# Altium PCB GiroScope.PcbDoc (part 4 of 5)
Units mm, origin at the board's own origin, x right, y up, seen from the top; angles counter-clockwise.
Board outline 183.9 x 124.16 mm, 2 copper layers (Top Layer, Bottom Layer); 299 components, 122 nets, 3052 pads, 100 vias.
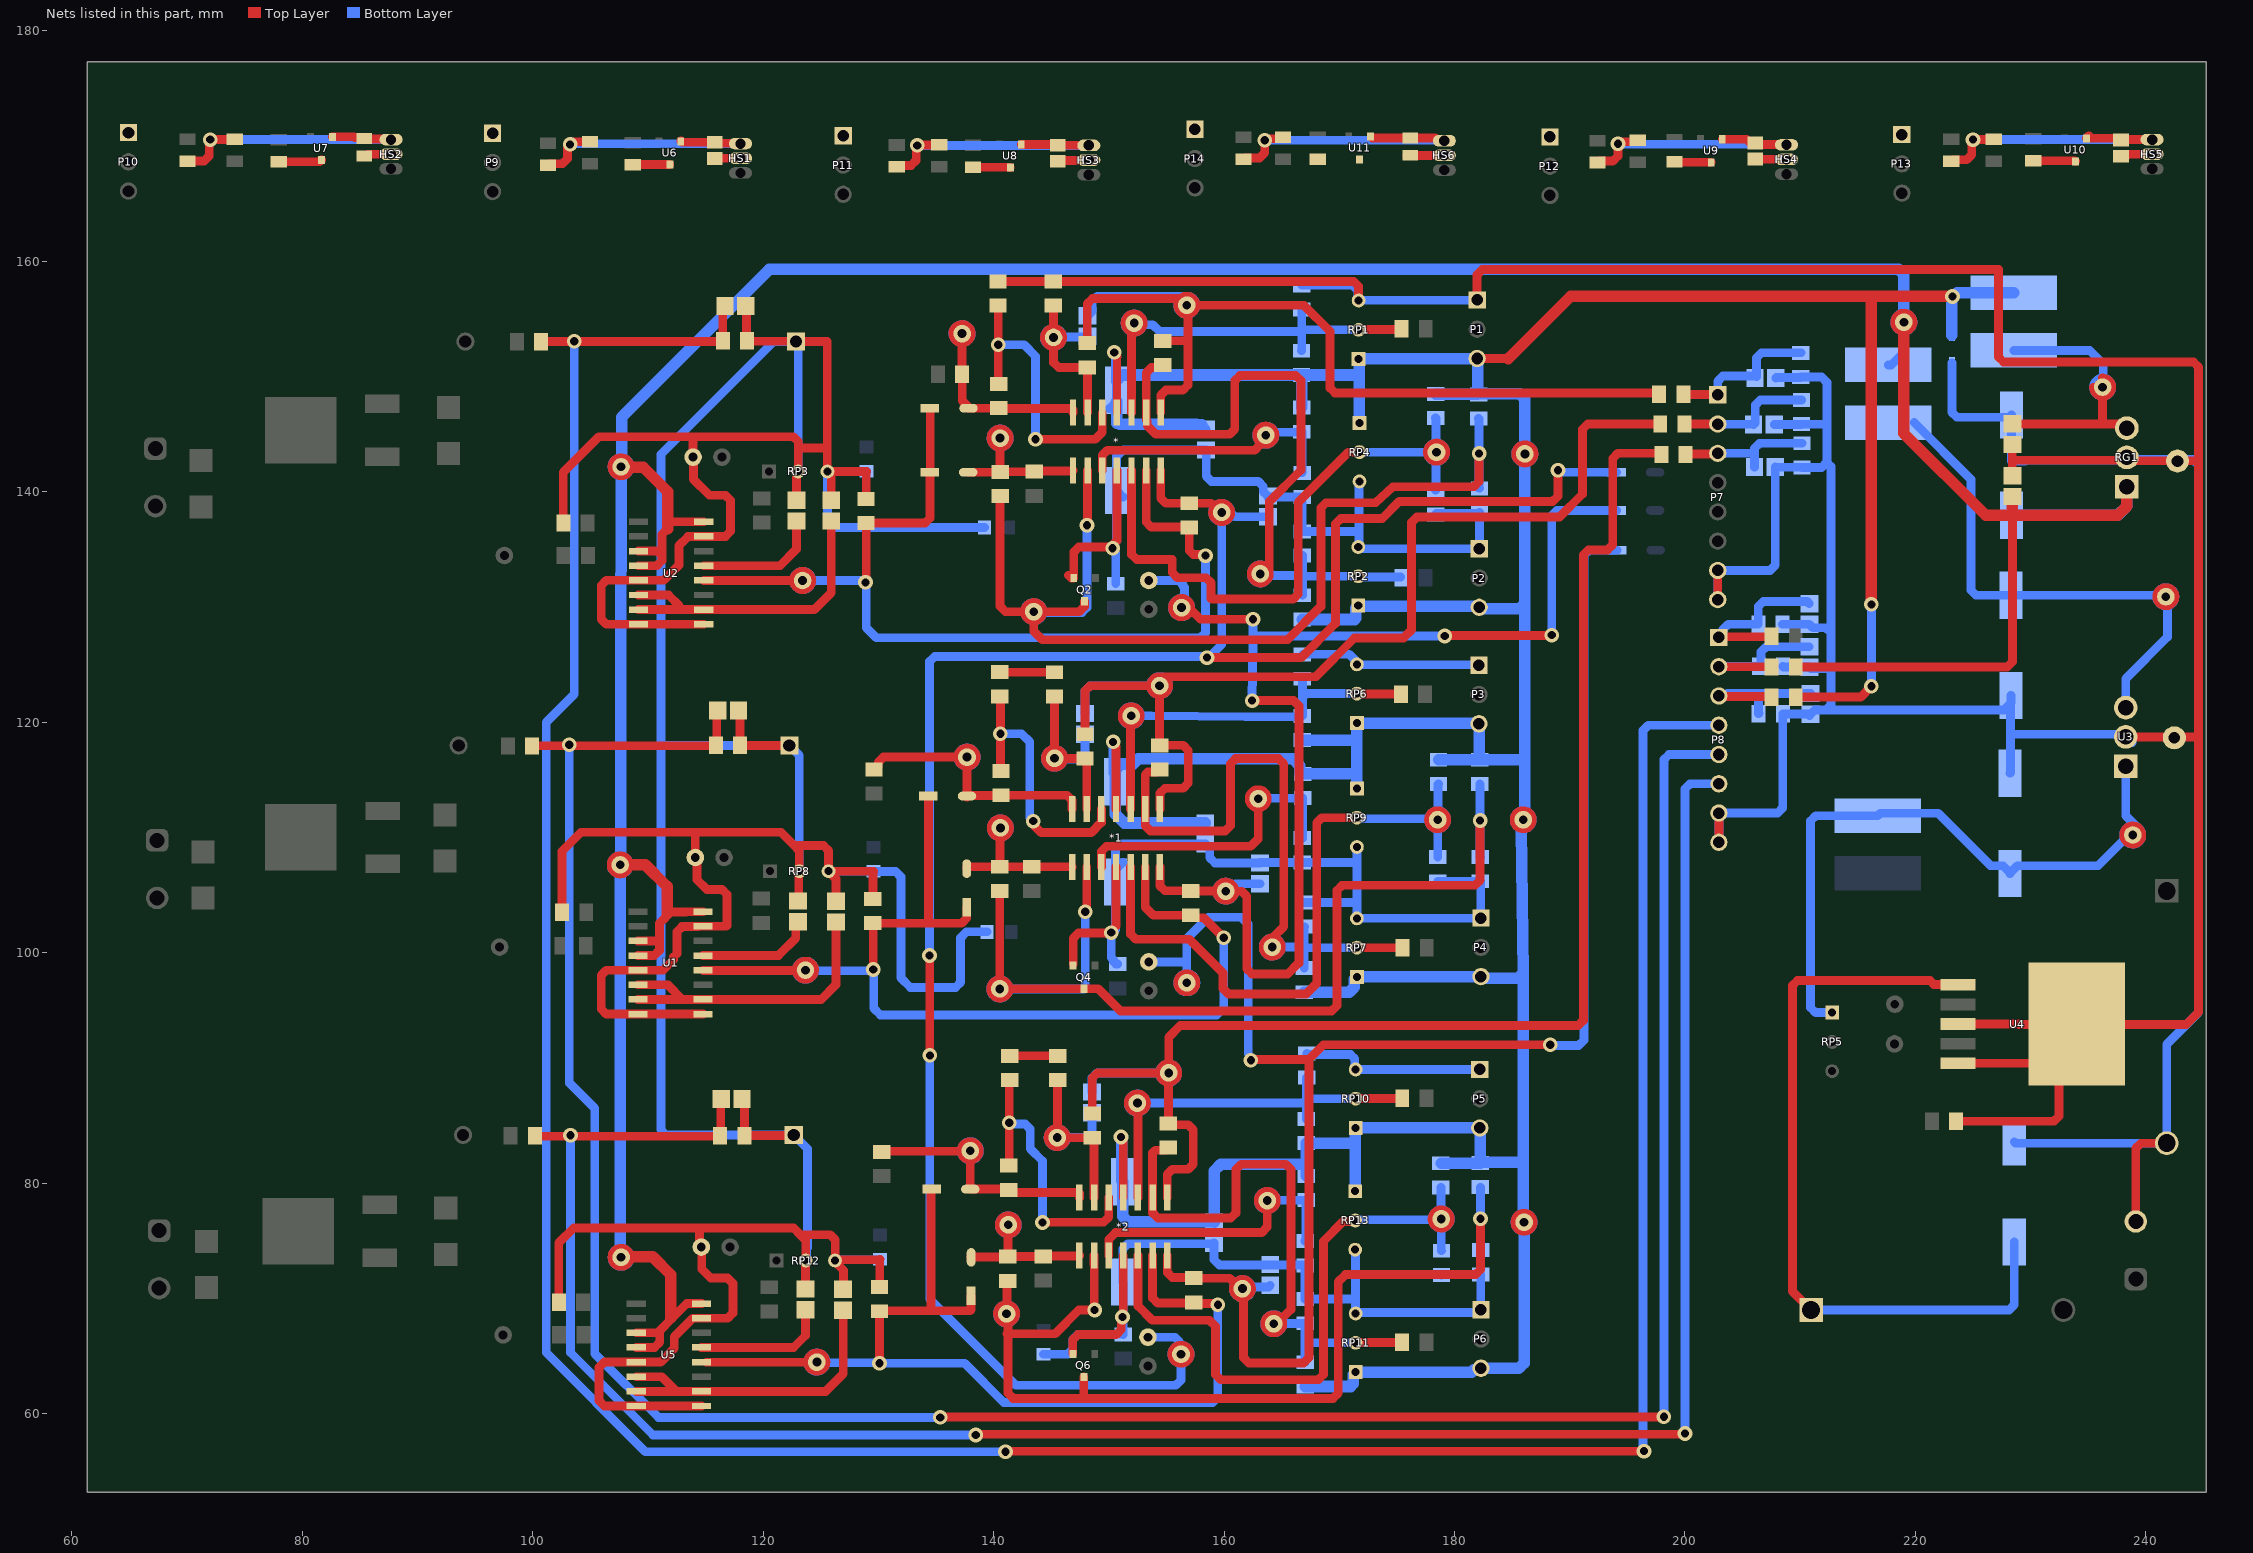
[diagram p4: the nets of this part, all layers, seen from the top]

## Via types
v1: diameter 1.27, hole 0.711, Top Layer to Bottom Layer, 61 vias
v2: diameter 1.524/1.524 (per signal layer), hole 0.711, Top Layer to Bottom Layer, 39 vias

## Nets (pads, with @x,y where several pads share a name; then routed paths per layer and width w, separated by ;. In a path a pad name is that pad's centre, name@x,y a point inside that pad or via, vN(x,y) a via of type N, cw(c..) or ccw(c..) an arc to the next point about the centre after c; other vN are vias at no path point)
+5: *1.4 *2.4 *.4 C8.1 C10.2 C16.1 C18.2 C22.1 C24.2 L1.2 P1.3 P2.3 P3.3 P4.3 P5.3 P6.3 R2.2 R14.1 R16.2 R19.1 R24.2 R29.2 R41.1 R43.2 R46.1 R51.2 R56.2 R67.1 R69.2 R72.1 R77.2 R89.2 RP1.1 RP2.1 RP4.1 RP6.1 RP7.1 RP9.1 RP10.1 RP11.1 RP13.1 TP7.1 TP20.1 TP35.1 Z1.1 | length 447.3
  Top Layer w0.7: v1@150.656,151.909 150.579,151.832 150.698,151.712 *.4@150.698,146.862
  Top Layer w0.762: v1(150.368,118.288) 150.368,118.15 150.622,117.896 *1.4@150.622,112.47 ; v1(150.47,152.095) 150.47,151.958 v1@150.698,151.729 ; v1(151.054,83.998) 151.257,83.795 *2.4@151.257,78.74 ; P1.3@181.961,151.562 184.683,151.562 ; R89.2@209.61,122.174 215.24,122.174 v1(216.179,123.114) ; 216.129,156.947 216.179,156.896
  Top Layer w1: 184.683,151.562 190.068,156.947 216.129,156.947 v1(223.215,156.947) ; v1(216.179,130.226) 216.179,156.896
  Bottom Layer w0.762: C16.1@150.054,147.229 150.673,147.848 C16.1@150.673,148.8 150.673,149.511 C16.1@151.292,150.13 ; v1(150.368,118.288) v1@150.465,118.191 ; v1(150.47,152.095) 150.567,151.998 150.567,149.566 C16.1@150.622,149.511 ; v1(151.054,83.998) v1@151.13,83.922 ; C8.1@151.13,80.201 C8.1@151.206,80.125 ; 157.602,145.873 C10.2@157.677,145.798 ; C10.2@158.074,145.798 C10.2@158.445,145.427 ; C24.2@159.067,76.657 C24.2@159.131,76.593 ; R2.2@166.726,150.13 R2.2@166.738,150.117 ; R14.1@166.738,147.317 R14.1@166.751,147.304 ; 170.978,62.348 171.206,62.575 ; RP11.1@171.206,63.383 RP11.1@171.425,63.602 ; RP7.1@171.307,97.673 RP7.1@171.526,97.892 RP7.1@171.539,97.904 ; 171.316,118.447 171.526,118.237 ; 171.334,128.912 171.429,129.007 ; RP13.1@171.379,79.299 RP13.1@171.402,79.322 ; RP10.1@171.402,84.762 RP10.1@171.425,84.785 ; RP2.1@171.429,129.905 RP2.1@171.648,130.124 RP2.1@171.724,130.048 ; 171.45,115.519 171.526,115.595 ; RP6.1@171.526,119.939 RP6.1@171.564,119.901 ; RP1.1@171.704,151.536 RP1.1@171.679,151.511 RP1.1@171.717,151.473 ; RP4.1@171.717,146.012 RP4.1@171.755,145.974 ; R24.2@178.359,148.488 R24.2@178.379,148.468 ; R77.2@178.816,81.721 R77.2@178.829,81.734 ; 181.48,63.602 P6.3@181.669,63.791 ; P1.3@181.935,151.536 P1.3@181.961,151.562 P1.3@182.027,151.496 ; R19.1@181.981,148.468 R19.1@182.027,148.513 ; P2.3@182.067,130.048 P2.3@182.143,129.972 P2.3@182.27,129.845 ; P3.3@182.08,119.901 P3.3@182.118,119.863 P3.3@182.156,119.825 ; P6.3@182.155,63.791 P6.3@182.296,63.932 ; R46.1@182.156,116.776 R46.1@182.194,116.738 ; P5.3@182.194,84.785 P5.3@182.22,84.76 ; R72.1@182.22,81.772 R72.1@182.245,81.747 ; R72.1@182.232,81.734 R72.1@182.245,81.747 ; P4.3@182.283,97.904 P4.3@182.296,97.917 P4.3@182.437,97.776 ; R72.1@182.312,81.813 R72.1@182.245,81.747 ; 186.106,144.066 v2(186.106,143.281) 186.891,143.281 ; v1(216.179,123.114) v1(216.179,130.226) ; v1@223.164,156.816 v1@223.611,157.262 ; L1.2@228.479,157.332 L1.2@228.549,157.262
  Bottom Layer w1: C22.1@150.465,115.625 v1@150.465,118.191 ; 150.673,145.948 C16.1@150.673,147.848 ; 150.928,145.873 157.602,145.873 ; C8.1@151.13,80.201 v1@151.13,83.922 ; C8.1@151.206,80.125 151.206,77.104 151.653,76.657 C24.2@159.067,76.657 ; C16.1@151.292,150.13 R2.2@166.726,150.13 171.717,150.13 ; C10.2@157.677,145.798 C10.2@158.074,145.798 ; C18.2@158.369,111.25 151.335,111.25 150.571,112.014 C22.1@150.571,114.821 150.571,115.871 151.071,116.371 152.121,116.371 152.565,116.815 165.987,116.815 166.573,116.229 166.573,115.622 166.676,115.519 171.45,115.519 ; C24.2@159.131,76.593 159.131,81.05 159.717,81.636 166.878,81.636 ; R14.1@166.738,147.317 R2.2@166.738,150.117 ; R29.2@166.802,118.447 171.316,118.447 ; R16.2@166.802,128.912 171.334,128.912 ; R43.2@166.954,96.561 170.861,96.561 171.307,97.008 RP7.1@171.307,97.673 ; R69.2@167.03,62.348 170.978,62.348 ; R67.1@167.132,80.629 167.132,81.636 R56.2@167.132,83.464 171.402,83.464 ; 171.206,62.575 RP11.1@171.206,63.383 ; RP13.1@171.402,79.322 171.402,83.464 ; RP10.1@171.402,84.762 171.402,83.464 ; RP11.1@171.425,63.602 181.48,63.602 ; RP10.1@171.425,84.785 P5.3@182.194,84.785 ; 171.429,129.007 RP2.1@171.429,129.905 ; RP9.1@171.526,114.249 171.526,115.595 171.526,118.237 RP6.1@171.526,119.939 ; RP7.1@171.539,97.904 P4.3@182.283,97.904 ; RP6.1@171.564,119.901 P3.3@182.08,119.901 ; RP1.1@171.704,151.536 P1.3@181.935,151.536 ; RP4.1@171.717,146.012 RP1.1@171.717,151.473 ; RP2.1@171.724,130.048 P2.3@182.067,130.048 ; R24.2@178.379,148.468 R19.1@181.981,148.468 ; R51.2@178.613,116.738 R46.1@182.194,116.738 186.106,116.738 ; R77.2@178.829,81.734 R72.1@182.232,81.734 ; P6.3@181.669,63.791 P6.3@182.155,63.791 ; P1.3@182.027,151.496 182.027,148.513 185.659,148.513 186.106,148.067 186.106,144.066 ; R46.1@182.156,116.776 P3.3@182.156,119.825 ; R72.1@182.22,81.772 P5.3@182.22,84.76 ; P2.3@182.27,129.845 185.659,129.845 186.106,130.291 ; P6.3@182.296,63.932 185.589,63.932 186.035,64.378 186.035,75.816 ; R72.1@182.312,81.813 185.965,81.813 ; P4.3@182.437,97.776 185.518,97.776 185.965,98.222 ; 185.798,110.744 185.965,98.222 ; 185.965,77.383 185.965,81.813 ; 186.106,112.458 186.106,116.738 ; 186.106,142.496 186.106,130.291 ; Z1.1@223.164,153.6 v1@223.164,156.816 ; v1@223.611,157.262 L1.2@228.549,157.262 ; 185.965,81.813 185.965,98.222 ; 186.106,116.738 186.106,130.291
  other v2: 186.035,76.601 185.965,111.531
+12: C3.1 C6.1 L2.2 R90.2 RG1.1 TP2.1 TP26.1 TP34.1 TP41.1 U1.8 U1.11 U1.12 U2.8 U2.11 U2.12 U5.8 U5.11 U5.12 | length 327.4
  Top Layer w0.762: 107.115,142.719 107.765,142.566 108.416,142.412 ; TP26.1@107.594,107.62 108.38,107.62 ; TP2.1@107.671,142.164 107.696,142.138 108.456,142.138 ; U5.12@108.991,65.735 110.574,65.735 111.023,66.185 111.023,67.191 ; U5.11@108.991,67.005 110.838,67.005 111.023,67.191 ; U1.12@109.137,99.746 110.552,99.746 110.998,100.192 110.998,101.239 ; U1.11@109.137,101.016 110.775,101.016 110.998,101.239 ; U2.12@109.188,133.579 110.78,133.579 111.227,134.025 111.227,134.417 ; U2.11@109.188,134.849 110.795,134.849 111.227,134.417 ; 111.535,103.07 110.998,102.532 110.998,101.239 ; 111.633,103.53 111.658,103.53 113.32,103.53 113.346,103.556 U1.8@114.789,103.556 ; 111.658,137.389 111.735,137.389 U2.8@114.84,137.389 ; 111.735,136.804 111.227,136.296 111.227,134.417 ; 111.998,68.334 112.082,68.25 ; U5.8@114.643,69.545 113.378,69.545 112.082,68.25 ; R90.2@209.61,124.79 227.976,124.79 228.422,125.237 228.422,137.973 ; 218.999,153.926 v2(218.999,154.711) ; 111.023,67.191 112.082,68.25
  Top Layer w1: 108.38,107.62 109.779,107.62 111.658,105.74 111.658,103.53 111.658,103.361 ; 108.456,142.138 109.576,142.138 111.735,139.979 111.735,137.389 111.735,136.804 ; 108.685,73.609 110.414,73.609 111.998,72.025 111.998,68.334 ; 218.999,153.926 218.999,145.059 226.085,137.973 228.422,137.973 ; C3.1@228.422,139.587 228.422,137.973 ; RG1.1@238.354,140.442 238.354,138.749 237.577,137.973 228.422,137.973
  Bottom Layer w0.762: L2.2@217.653,151.003 217.909,151.003 219.028,152.122 219.028,153.927
  Bottom Layer w1: 107.594,74.34 107.594,106.835 ; 107.632,108.404 107.632,124.638 107.702,141.379 ; 107.709,142.948 107.709,146.469 120.548,159.309 218.552,159.309 218.999,158.862 218.999,155.496 ; C6.1@228.346,137.966 237.571,137.966 238.354,138.749 RG1.1@238.354,140.442
  other v2: 107.671,73.558
GND: *1.11 *2.11 *.11 C2.2 C3.2 C4.1 C5.2 C6.2 C7.2 C8.2 C9.1 C10.1 C11.2 C12.2 C14.1 C15.2 C16.2 C17.1 C18.1 C20.1 C21.2 C22.2 C23.1 C24.1 C25.1 C26.1 C27.1 C28.1 C29.1 C30.1 C31.1 C32.1 C33.1 C34.1 C35.1 C36.1 C37.1 C38.1 C39.1 CR1.2 D4.2 D5.2 D10.2 D11.2 D17.2 D18.2 HS1.2 HS2.2 HS3.2 HS4.2 HS5.2 HS6.2 J1.2 J8.1 J9.1 J10.1 P1.1 P2.1 P3.1 P4.1 P5.1 P6.1 P7.7 P7.8 P8.7 P8.8 P9.1 P10.1 P11.1 P12.1 P13.1 P14.1 pad.2 Q2.2 Q4.2 Q6.2 R3.2 R7.1 R10.2 R11.2 R18.1 R20.2 R22.1 R23.1 R25.1 R26.2 R30.2 R33.1 R34.1 R37.2 R38.2 R45.1 R47.2 R49.1 R50.1 R52.1 R53.2 R57.2 R60.1 R63.2 R64.2 R71.1 R73.2 R75.1 R76.1 R78.1 R79.2 R83.2 R84.2 R85.2 R87.1 R88.2 R92.2 R93.2 R94.2 R96.1 R97.2 R99.1 R100.2 R107.2 R108.2 R109.2 R116.2 R117.2 R118.2 RG1.2 RP1.3 RP2.3 RP3.2 RP3.3 RP4.3 RP6.3 RP7.3 RP8.2 RP8.3 RP9.3 RP10.3 RP11.3 RP12.2 RP12.3 RP13.3 U1.1 U1.7 U1.13 U1.16 U2.1 U2.7 U2.13 U2.16 U3.2 U4.3 U4.5 U4.6 U5.1 U5.7 U5.13 U5.16 U6.3 U7.3 U8.3 U9.3 U10.3 U11.3 Z1.2 | length 1253.8
  Top Layer w0.762: R108.2@77.953,168.645 81.507,168.645 U7.3@81.661,168.799 ; C32.1@85.33,169.111 C32.1@85.369,169.151 85.569,169.151 85.71,169.291 HS2.2@87.706,169.291 ; R71.1@102.267,69.672 102.267,74.81 103.556,76.098 114.484,76.098 ; R45.1@102.546,103.505 102.546,108.795 104.191,110.439 113.97,110.439 ; R18.1@102.657,137.287 102.657,141.697 105.74,144.78 113.843,144.78 ; R107.2@108.687,168.391 111.885,168.391 U6.3@111.902,168.409 ; U5.1@114.643,60.655 U5.16@108.991,60.655 106.212,60.655 105.766,61.102 105.766,64.019 106.212,64.465 U5.13@108.991,64.465 111.1,64.465 112.293,65.659 112.293,66.665 113.904,68.275 U5.7@114.643,68.275 116.927,68.275 117.373,68.722 117.373,71.309 116.927,71.755 115.468,71.755 114.681,72.542 114.681,74.397 J10.1@114.63,74.447 114.484,74.593 114.484,76.098 ; U1.1@114.789,94.666 U1.16@109.137,94.666 106.39,94.666 105.943,95.112 105.943,98.029 106.39,98.476 U1.13@109.137,98.476 111.303,98.476 112.217,99.39 112.217,99.615 112.522,99.92 112.522,101.814 112.968,102.26 114.338,102.26 114.364,102.286 U1.7@114.789,102.286 116.789,102.286 116.865,102.362 116.865,105.04 116.419,105.486 115.113,105.486 114.249,106.35 114.249,108.117 J9.1@114.111,108.255 114.111,110.298 113.97,110.439 ; U2.1@114.84,128.499 U2.16@109.188,128.499 106.39,128.499 105.943,128.945 105.943,131.862 106.39,132.309 U2.13@109.188,132.309 111.379,132.309 112.689,133.619 112.689,135.32 113.487,136.119 U2.7@114.84,136.119 116.724,136.119 117.17,136.565 117.17,139.254 116.724,139.7 115.341,139.7 113.944,141.097 113.944,142.977 J8.1@113.919,143.002 113.919,144.704 113.843,144.78 ; C31.1@115.688,168.935 HS1.2@118.034,168.935 ; C38.1@117.856,121.031 117.992,120.895 R97.2@117.992,117.983 R96.1@122.276,117.983 ; C39.1@118.161,87.3 118.373,87.087 R100.2@118.373,84.099 118.412,84.138 122.618,84.138 R99.1@122.657,84.176 ; C37.1@118.489,156.108 118.546,156.052 118.546,153.142 R88.2@118.602,153.086 118.627,153.06 122.834,153.06 R87.1@122.86,153.035 125.563,153.035 125.563,143.789 ; C4.1@122.885,139.255 RP3.2@122.885,141.486 ; C14.1@123.038,104.482 123.088,104.533 123.088,107.015 RP8.2@123.139,107.066 123.139,108.85 122.693,109.296 ; RP3.2@123.038,141.757 123.038,143.866 ; C20.1@123.673,70.815 123.685,70.828 123.685,73.266 RP12.2@123.698,73.279 123.698,75.042 123.226,75.514 ; RP3.3@125.578,141.757 125.563,141.772 125.563,143.789 ; RP3.3@125.628,141.766 128.973,141.766 ; RP3.3@125.908,141.309 C5.2@125.908,139.255 C5.2@125.97,139.317 ; C15.2@126.314,104.457 126.314,106.401 125.679,107.036 RP8.3@125.679,107.066 ; C21.2@126.924,70.776 126.975,70.827 126.975,72.424 126.238,73.16 RP12.3@126.238,73.279 RP12.3@126.263,73.304 ; R11.2@128.93,139.379 128.956,139.405 128.956,141.749 128.973,141.766 ; 128.981,141.774 128.973,141.766 ; R38.2@129.515,104.657 129.54,104.683 129.54,107.027 129.565,107.052 129.559,107.059 125.686,107.059 RP8.3@125.679,107.066 ; R64.2@130.099,70.977 130.124,71.002 130.124,73.372 ; 130.15,73.397 130.124,73.372 ; R109.2@138.252,168.112 R109.2@138.201,168.162 141.429,168.162 U8.3@141.453,168.139 ; R3.2@140.386,158.251 R10.2@145.186,158.251 171.232,158.251 171.679,157.805 RP1.3@171.679,156.591 ; R30.2@140.538,124.342 140.543,124.338 145.283,124.338 R37.2@145.288,124.333 ; R57.2@141.402,91.043 R63.2@145.567,91.043 ; C33.1@145.442,168.677 C33.1@145.567,168.677 145.628,168.737 147.65,168.737 147.695,168.783 HS3.2@148.26,168.783 ; 146.508,132.743 146.755,132.496 Q2.2@146.954,132.496 ; Q6.2@146.878,65.186 146.878,66.406 147.324,66.853 150.637,66.853 151.084,67.299 151.084,68.142 v1@151.257,68.142 ; Q4.2@146.903,98.993 146.903,101.255 147.35,101.702 148.438,101.702 148.442,101.697 150.042,101.697 150.157,101.633 150.216,101.6 v1(150.216,101.737) 150.216,101.875 150.622,102.281 *1.11@150.622,107.442 ; Q2.2@146.954,132.743 146.954,134.758 147.401,135.204 148.427,135.204 148.432,135.2 150.093,135.2 v1@150.19,135.103 ; v1(150.328,135.103) v1@150.19,135.103 ; *.11@150.698,141.834 150.698,135.748 150.19,135.24 v1@150.19,135.103 ; v1@151.257,68.036 v1@151.257,68.142 ; *2.11@151.257,73.712 v1@151.257,68.142 ; RP2.3@171.564,135.288 RP2.3@171.648,135.204 ; C36.1@175.88,169.189 175.892,169.201 C36.1@176.174,169.201 176.186,169.189 HS6.2@179.121,169.189 ; P1.1@181.961,156.642 181.961,158.837 182.407,159.283 227.203,159.283 227.203,151.703 227.649,151.257 244.13,151.257 244.577,150.811 244.577,142.697 ; R116.2@199.093,168.62 199.126,168.586 U9.3@202.283,168.586 ; P7.7@202.844,133.172 P7.8@202.844,130.632 P7.8@202.999,130.632 ; P8.8@202.941,109.576 P8.7@202.941,112.116 ; C34.1@206.104,168.87 206.121,168.852 208.203,168.852 208.221,168.834 HS4.2@208.813,168.834 ; R33.1@223.529,85.369 232.014,85.369 232.461,85.816 U4.6@232.461,92.268 ; U4.5@223.69,90.398 230.591,90.398 U4.6@232.461,92.268 ; U4.3@223.69,93.802 228.981,93.802 229.032,93.751 U4.6@233.944,93.751 ; C3.2@228.397,141.707 228.409,141.719 228.409,142.723 ; C2.2@228.422,144.096 228.409,144.083 228.409,142.723 ; R117.2@230.226,168.721 233.834,168.721 U10.3@233.883,168.672 ; 236.906,142.723 228.409,142.723 ; 237.152,142.73 237.963,142.73 237.996,142.697 244.577,142.697 ; C35.1@237.846,169.124 237.944,169.222 238.405,169.222 238.473,169.291 HS5.2@240.538,169.291 ; U3.2@238.252,118.72 244.577,118.72 ; J1.2@239.124,76.668 239.124,83.018 239.57,83.464 CR1.2@241.808,83.464 ; 113.843,144.78 122.617,144.78 123.038,144.359 123.038,143.866 ; 113.97,110.439 121.55,110.439 122.693,109.296 ; 114.484,76.098 122.642,76.098 123.226,75.514 ; 122.693,109.296 125.233,109.296 125.679,108.85 RP8.3@125.679,107.066 ; 123.038,143.866 123.114,143.789 125.563,143.789 ; 123.226,75.514 125.817,75.514 126.263,75.068 RP12.3@126.263,73.304 ; RP12.3@126.263,73.304 126.297,73.338 130.09,73.338 130.124,73.372 ; U4.6@232.461,92.268 U4.6@233.944,93.751 ; U4.6@233.944,93.751 243.484,93.751 244.577,94.844 244.577,118.72 ; 244.577,118.72 244.577,142.697
  Bottom Layer w0.762: RP3.2@123.038,141.757 123.038,152.857 R87.1@122.86,153.035 120.929,153.035 111.125,143.231 111.125,118.085 ; RP8.2@123.139,107.066 123.139,117.119 R96.1@122.276,117.983 111.227,117.983 111.125,118.085 ; RP12.2@123.698,73.279 123.782,73.363 123.782,74.328 123.85,74.397 123.85,82.982 R99.1@122.657,84.176 111.571,84.176 111.125,84.622 111.125,118.085 ; RP8.3@125.679,107.066 125.686,107.059 129.559,107.059 D10.2@129.565,107.052 129.582,107.036 131.507,107.036 131.953,106.589 131.953,97.815 132.791,96.977 136.688,96.977 137.135,97.424 137.135,101.295 137.643,101.803 D11.2@139.429,101.803 ; RP12.3@126.238,73.279 126.297,73.338 130.09,73.338 D17.2@130.15,73.397 ; D4.2@128.981,141.774 128.973,141.766 125.586,141.766 RP3.3@125.578,141.757 125.578,137.352 126.024,136.906 D5.2@139.209,136.906 ; D18.2@144.323,65.142 146.432,65.142 146.878,65.589 146.878,66.432 147.324,66.878 151.241,66.878 R78.1@151.257,66.862 C8.2@151.257,71.374 ; v1@150.19,135.24 150.673,135.723 C16.2@150.673,140.1 ; v1@150.521,134.909 v1(150.328,135.103) 150.328,134.965 150.597,134.696 R25.1@150.597,132.013 ; v1@150.571,102.093 C22.2@150.571,106.121 C22.2@150.571,107.171 ; v1@150.597,101.981 150.353,101.737 v1(150.216,101.737) 150.216,99.561 150.401,99.376 150.401,99.225 150.624,99.003 R52.1@150.774,99.003 ; C8.2@151.206,71.425 151.206,74.28 151.653,74.727 159.067,74.727 C24.1@159.131,74.791 159.131,73.346 159.577,72.899 166.994,72.899 R76.1@167.03,72.863 R73.2@167.03,69.936 171.402,69.936 ; C22.2@151.229,107.83 C22.2@150.571,107.171 ; C16.2@151.234,139.538 C16.2@150.673,140.1 ; C17.1@163.119,107.784 159.212,107.784 158.766,108.23 158.766,109.077 158.395,109.449 C18.1@158.369,109.449 151.018,109.449 150.571,109.002 C22.2@150.571,107.171 ; C17.1@163.119,107.83 R50.1@166.802,107.83 171.469,107.83 171.526,107.772 ; C9.1@163.805,139.538 R23.1@166.776,139.538 166.789,139.525 166.789,136.573 R20.2@166.802,136.56 171.686,136.56 171.702,136.576 ; C9.1@163.805,139.624 163.779,139.624 163.407,139.995 163.407,140.447 162.961,140.894 158.892,140.894 158.445,141.34 C10.1@158.445,143.625 151.245,143.625 150.673,143.053 C16.2@150.673,140.1 ; R7.1@166.751,157.912 171.166,157.912 171.612,157.465 171.612,156.658 RP1.3@171.679,156.591 171.704,156.616 181.935,156.616 P1.1@181.961,156.642 ; R34.1@166.837,125.902 170.861,125.902 171.442,125.32 171.442,125.103 RP6.3@171.526,125.019 171.564,124.981 182.08,124.981 P3.1@182.118,124.943 ; R47.2@166.98,104.353 171.51,104.353 171.526,104.369 ; R60.1@167.183,91.256 167.278,91.161 170.978,91.161 171.341,90.798 171.341,89.949 RP10.3@171.425,89.865 P5.1@182.194,89.865 ; RP13.3@171.379,74.219 171.402,74.196 171.402,69.936 ; RP9.3@171.526,109.169 171.526,107.772 ; RP4.3@171.755,140.894 171.702,140.841 171.702,136.576 ; R26.2@178.359,138.04 178.435,138.116 182.093,138.116 R22.1@182.156,138.179 ; R53.2@178.537,106.188 178.541,106.193 182.24,106.193 R49.1@182.245,106.197 182.27,106.172 182.27,103.022 P4.1@182.296,102.997 182.283,102.984 171.539,102.984 RP7.3@171.526,102.972 171.526,104.369 ; R79.2@178.867,72.025 178.892,72.05 182.245,72.05 R75.1@182.27,72.076 182.283,72.063 182.283,69.025 P6.1@182.296,69.012 182.049,68.765 171.508,68.765 RP11.3@171.425,68.682 171.402,68.705 171.402,69.936 ; R22.1@182.169,138.192 R22.1@182.156,138.179 ; P7.8@202.844,130.632 P7.7@202.844,133.172 207.388,133.172 207.835,133.619 C27.1@207.835,142.138 207.852,142.121 210.142,142.121 R85.2@210.16,142.104 211.872,142.104 212.319,142.55 ; P8.8@202.941,109.576 P8.7@202.941,112.116 208.046,112.116 208.493,112.562 R92.2@208.493,120.726 208.511,120.708 210.679,120.708 210.797,120.59 C28.1@210.822,120.615 ; C26.1@207.747,145.821 207.767,145.842 210.088,145.842 R84.2@210.109,145.863 212.252,145.863 212.319,145.796 ; C25.1@207.885,149.86 207.931,149.906 210.012,149.906 R83.2@210.058,149.952 211.872,149.952 212.319,149.506 212.319,145.796 ; R94.2@208.467,128.499 208.473,128.493 C30.1@210.789,128.493 ; R93.2@208.518,124.841 208.562,124.797 210.751,124.797 C29.1@210.795,124.753 210.92,124.628 212.674,124.628 ; C30.1@210.795,128.487 211.086,128.196 212.228,128.196 212.674,127.749 ; C28.1@210.896,120.689 211.268,121.06 212.228,121.06 ; Z1.2@223.164,151.2 223.164,146.903 223.611,146.456 228.136,146.456 C6.2@228.346,146.666 228.346,142.646 229.514,142.646 229.514,142.723 RG1.2@238.354,142.723 ; C11.2@228.219,115.57 228.257,115.608 228.257,118.945 ; C7.2@228.295,122.32 228.295,121.679 C7.2@228.257,121.641 ; C12.2@228.575,83.579 228.689,83.464 CR1.2@241.808,83.464 241.808,92.05 244.551,94.793 244.551,142.352 244.105,142.799 238.531,142.799 RG1.2@238.354,142.977 ; U3.2@238.792,118.22 238.067,118.945 228.257,118.945 ; 171.526,104.369 171.526,107.772 ; 171.702,136.576 171.702,135.257 RP2.3@171.648,135.204 171.767,135.204 171.919,135.052 P2.1@182.143,135.052 182.156,135.064 R22.1@182.156,138.179 ; 212.228,121.06 227.676,121.06 C7.2@228.257,121.641 ; 212.228,121.06 212.674,121.507 212.674,124.628 ; 212.319,142.55 212.674,142.194 212.674,127.749 ; 212.319,142.55 212.319,145.796 ; 212.674,124.628 212.674,127.749 ; 228.257,118.945 C7.2@228.257,121.641
  other v1: 151.181,68.377
Net*1_1: *1.1 C13.1 R27.2 R36.2 R82.2 TP21.1 | length 93.6
  Top Layer w0.762: R36.2@147.93,118.948 147.93,122.718 148.376,123.165 153.621,123.165 ; 154.407,122.379 R27.2@154.407,117.992 156.449,117.992 156.896,117.546 156.896,114.721 156.449,114.275 154.878,114.275 154.432,113.828 *1.1@154.432,112.47 ; v2(154.407,123.165) 154.407,123.95 167.968,123.95 171.323,127.305 175.565,127.305 176.276,128.016 176.276,137.349 176.722,137.795 189.103,137.795 191.111,139.803 191.111,145.426 191.558,145.872 R82.2@197.857,145.872
  Bottom Layer w0.762: C13.1@147.93,120.75 147.93,122.718 148.376,123.165 153.622,123.165
Net*1_2: *1.2 R27.1 R42.2 R43.1 R47.1 RP7.2 TP27.1 | length 54.5
  Top Layer w0.762: R27.1@154.407,115.891 154.184,115.669 153.386,115.669 153.162,115.444 *1.2@153.162,112.47 153.162,111.013 153.608,110.566 160.107,110.566 160.553,111.013 160.553,116.394 161,116.84 164.73,116.84 165.176,116.394 165.176,102.259 164.186,101.268 v2(164.186,100.482) ; RP7.2@171.526,100.432 R42.2@175.489,100.432